# Altium PCB MeasureV2.PcbDoc
Units mil, origin at the board's own origin, x right, y up, seen from the top; angles counter-clockwise.
Board outline 1570 x 1225 mil, 2 copper layers (Top Layer, Bottom Layer), stack 38.671 mil thick; 69 components, 57 nets, 308 pads, 113 vias.
Unrouted connection lines stored in the file: 1.
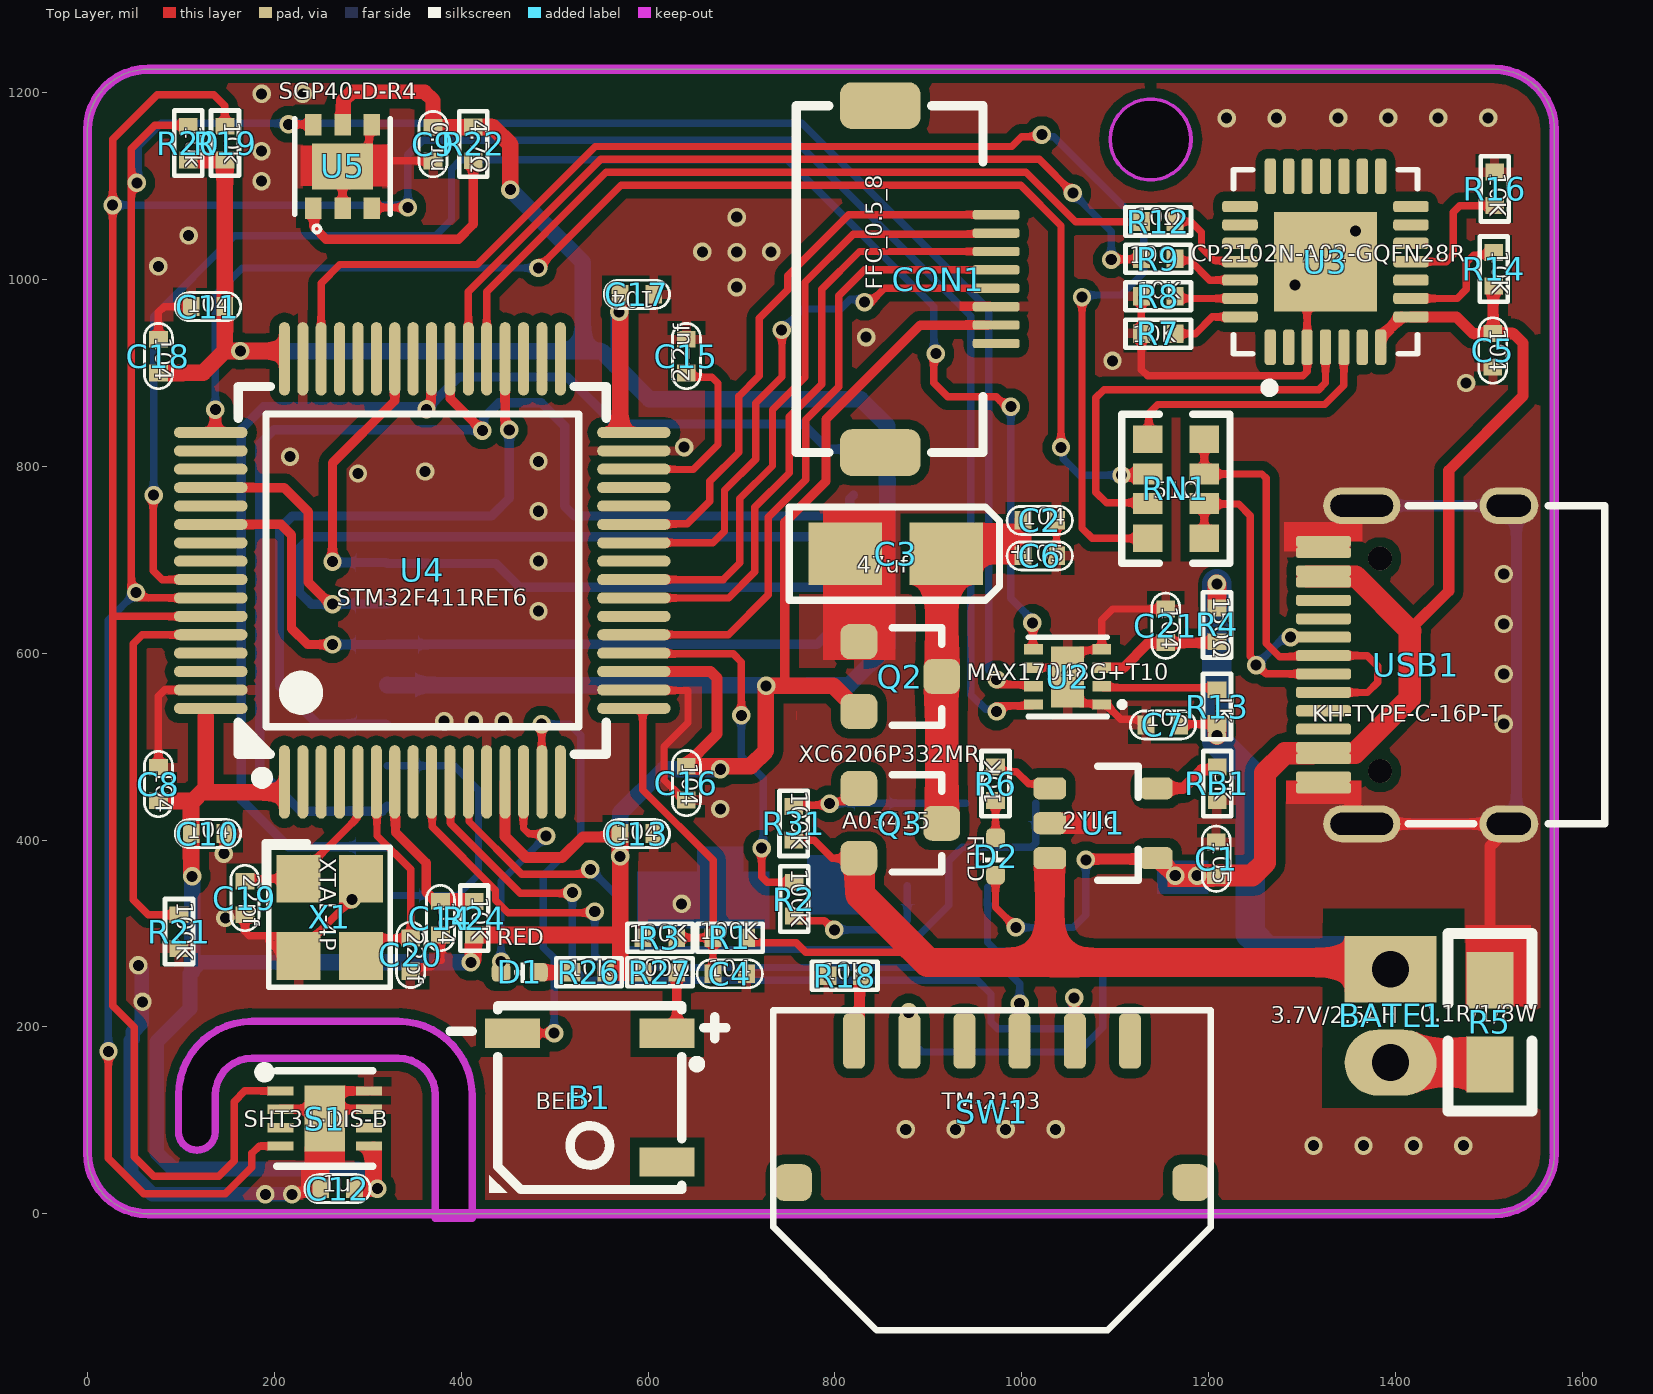
[diagram p0: Top Layer view]
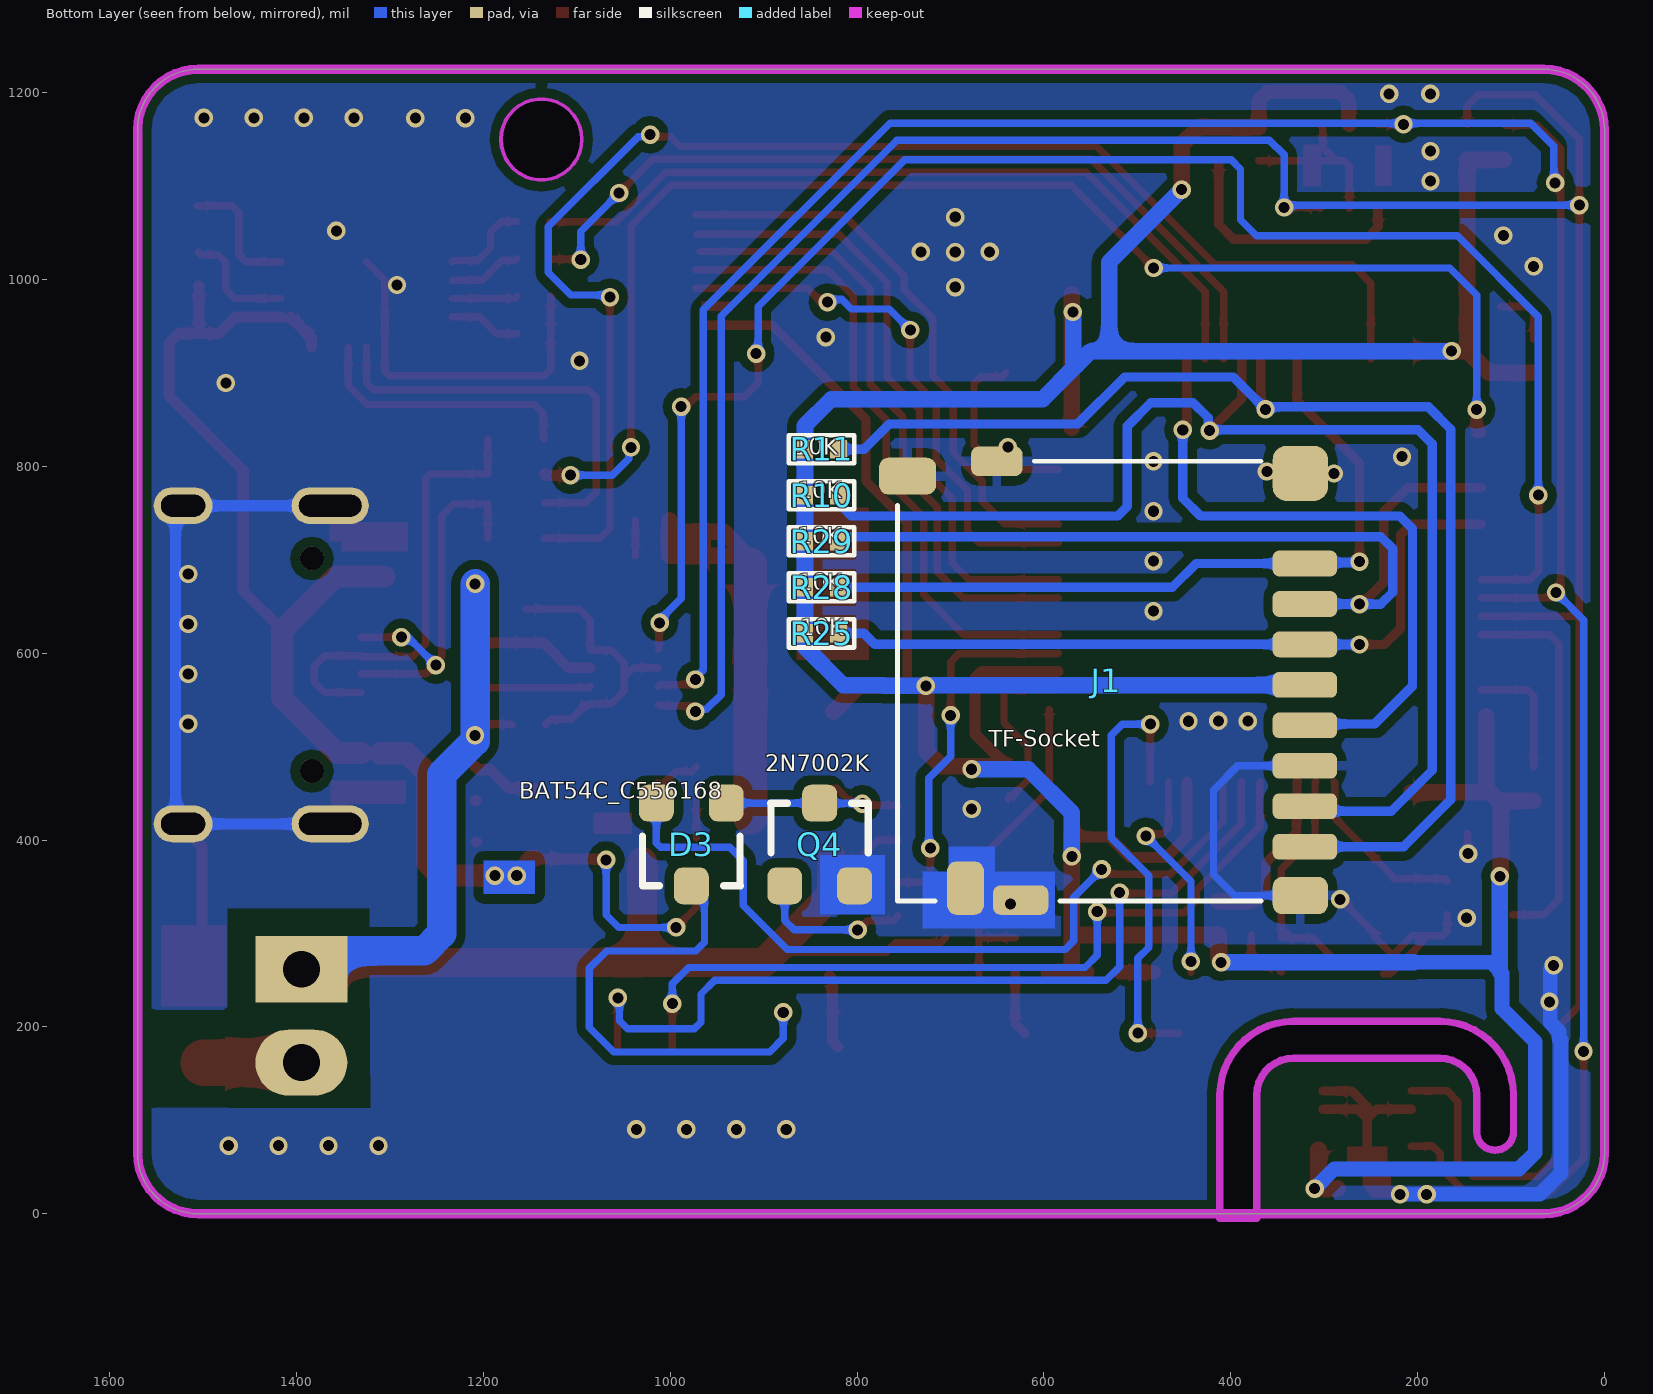
[diagram p1: Bottom Layer view, seen from below]
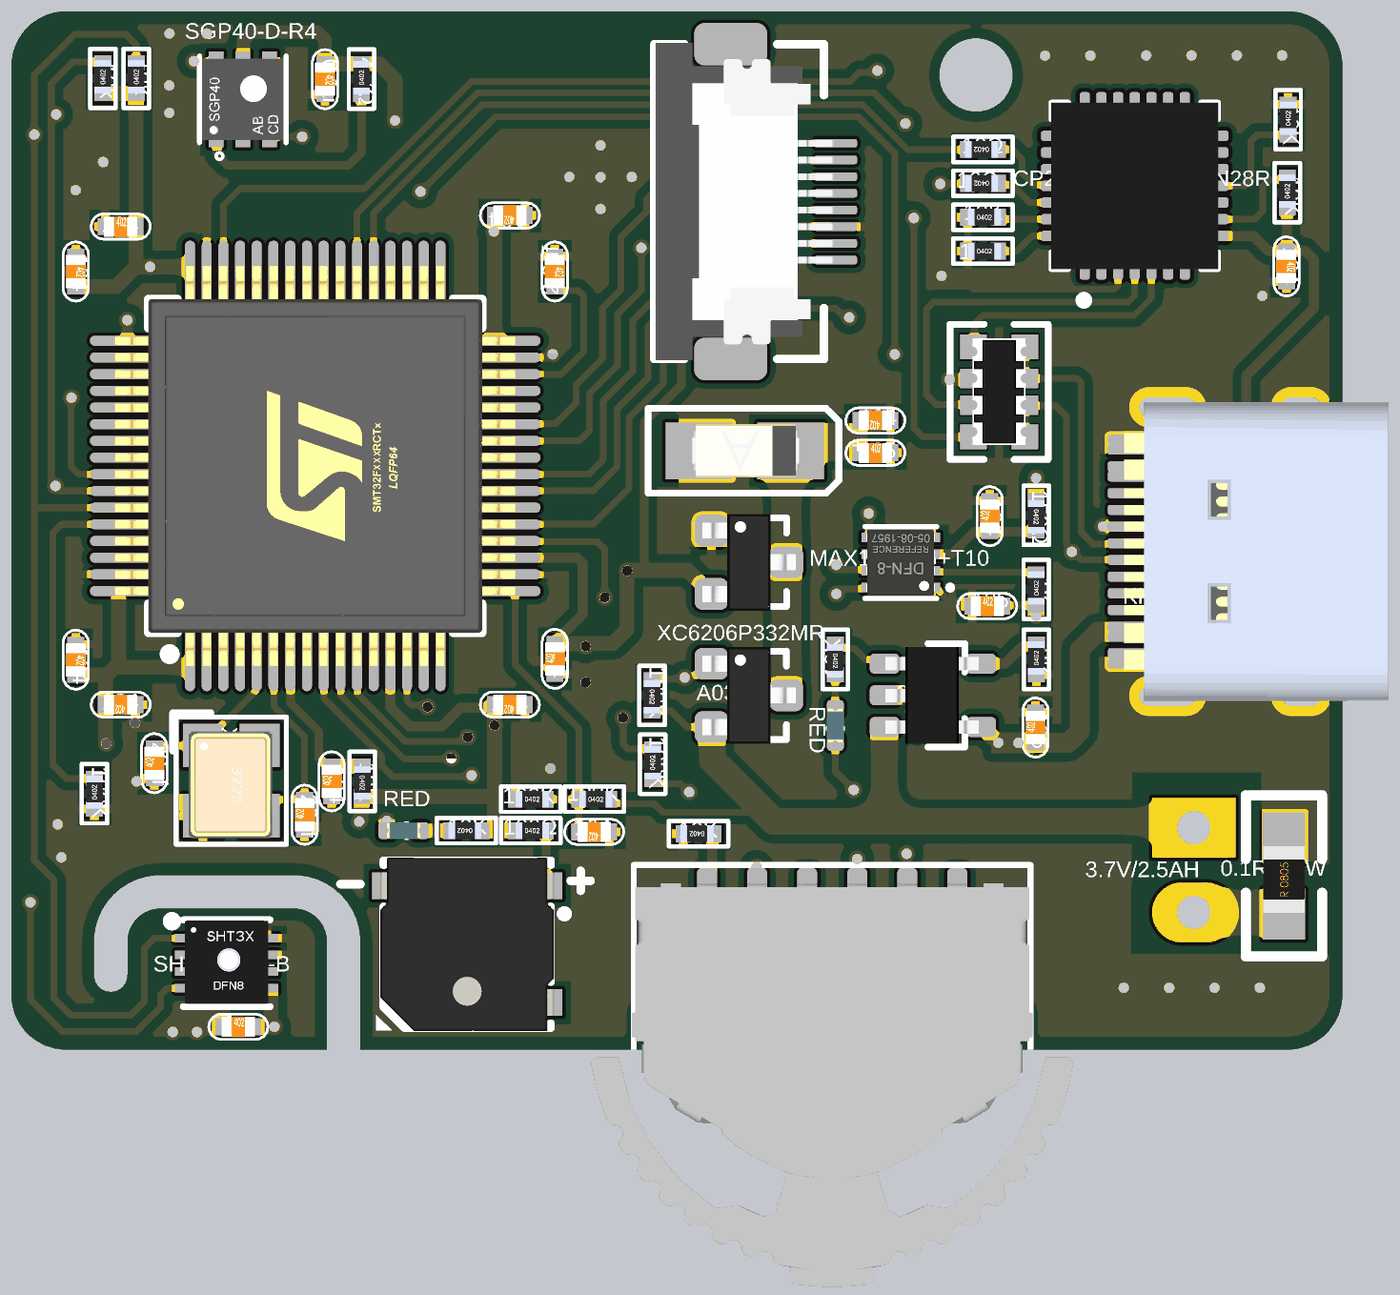
[diagram p2: 3D render of the assembled board from above, using the file's embedded part models]
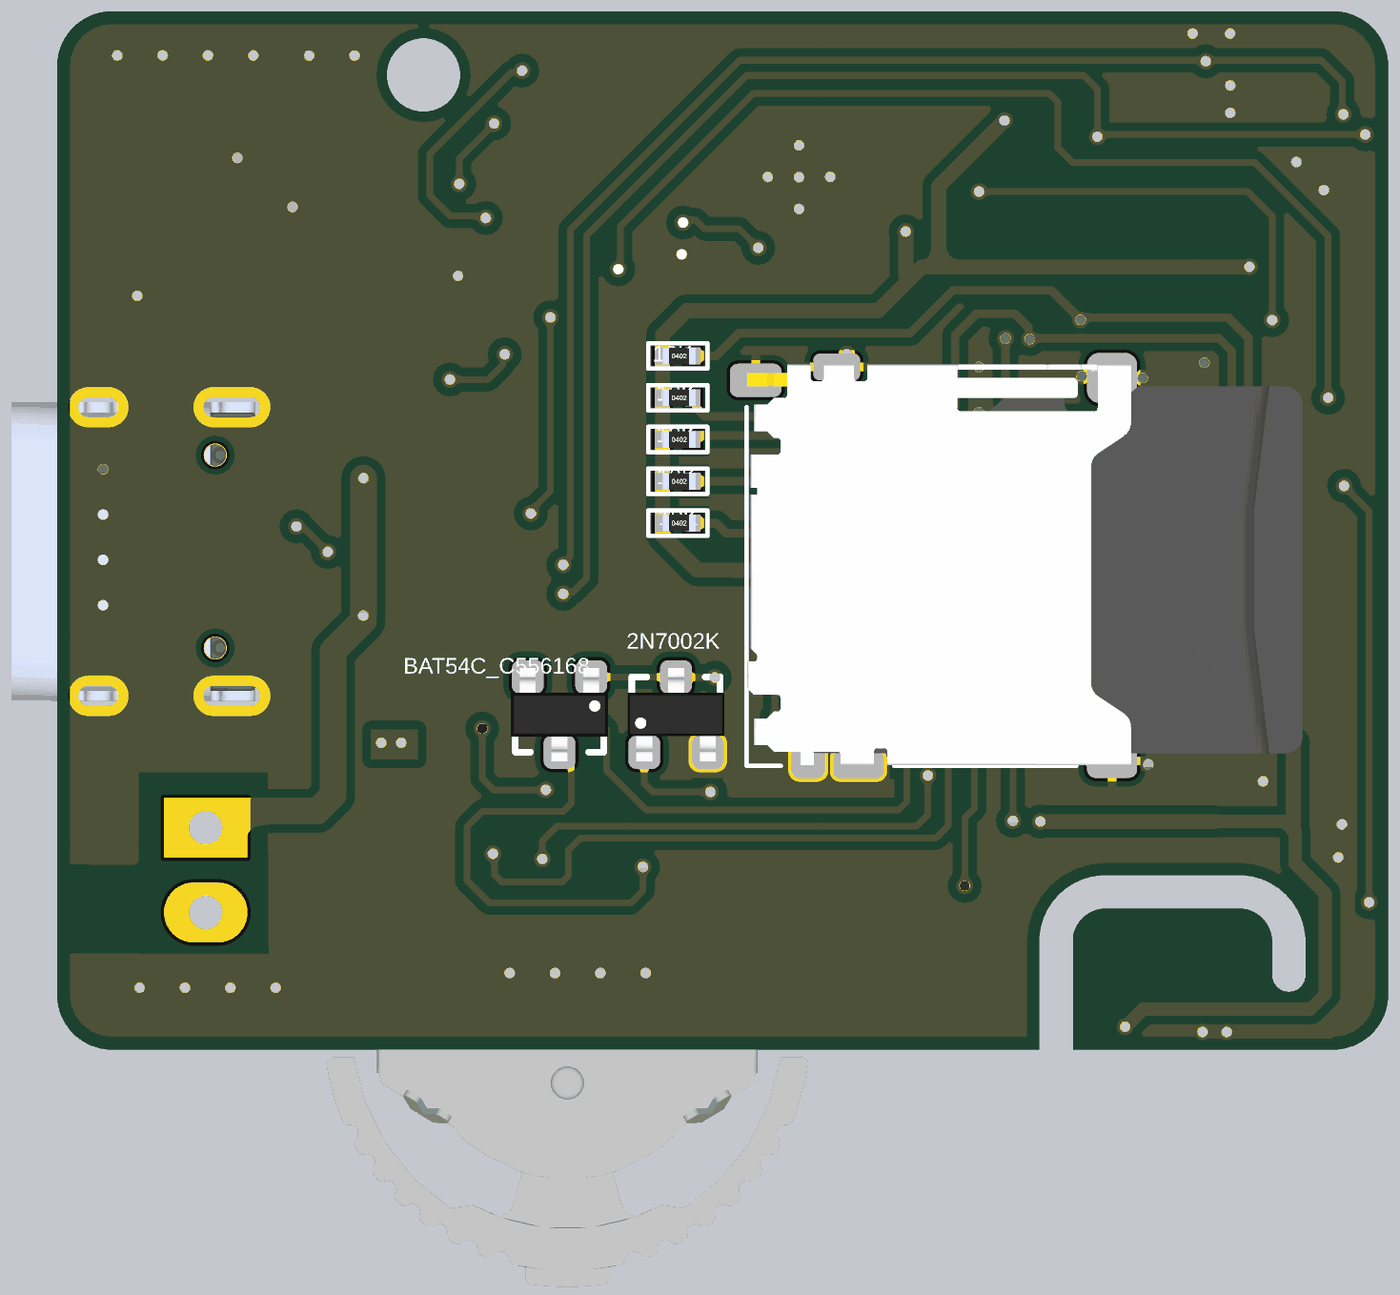
[diagram p3: 3D render of the assembled board from below, using the file's embedded part models]

## Layer stack, top to bottom
Top Solder: solder mask 0.4, Solder Resist, Dk 3.5
Top Layer: signal copper 1.378
Dielectric 2: prepreg 2.8, PP-006, Dk 4.1
Dielectric 1: dielectric 30.315, FR-4, Dk 4.8
Dielectric 3: prepreg 2.8, PP-006, Dk 4.1
Bottom Layer: signal copper 1.378
Bottom Solder: solder mask 0.4, Solder Resist, Dk 3.5

## Board outline
-0.04,65 ccw(c64.96,65) 64.96,0 1504.96,0 ccw(c1504.96,65) 1569.96,65 1569.96,1160 ccw(c1504.96,1160) 1504.96,1225 64.96,1225 ccw(c64.96,1160) -0.04,1160
cut-out: 97.44,87.6 97.44,127.17 cw(c176.18,127.17) 176.18,205.91 332.87,205.91 cw(c332.87,127.17) 411.61,127.17 411.61,-4.72 372.24,-4.72 372.24,127.17 ccw(c332.87,127.17) 332.87,166.54 176.18,166.54 ccw(c176.18,127.17) 136.81,127.17 136.81,87.8 cw(c117.13,87.8)
cut-out: 1094.49,1149.8 ccw(c1137.8,1149.8) 1137.8,1106.5 ccw(c1137.8,1149.8) 1181.1,1149.8 ccw(c1137.8,1149.8) 1137.8,1193.11 ccw(c1137.8,1149.8)

## Design rules (kind name [scope] priority, off if disabled: settings)
Clearance [All] p1: gap=10 ignorepadtopadclearanceinfootprint=FALSE
HoleToHoleClearance [All] p1: gap=0 allowstackedmicrovias=TRUE
MinimumSolderMaskSliver [All] p1: minsoldermaskwidth=0
PolygonConnect [All] p1: thpad.connectstyle=Direct thpad.reliefconductorwidth=10 thpad.reliefentries=4 thpad.polygonreliefangle="90 Angle" thpad.airgapwidth=10 smdpad.connectstyle=Relief smdpad.reliefconductorwidth=10 smdpad.reliefentries=4 smdpad.polygonreliefangle="90 Angle" smdpad.airgapwidth=10 via.connectstyle=Direct via.reliefconductorwidth=10 via.reliefentries=4 via.polygonreliefangle="90 Angle" via.airgapwidth=10
RoutingVias [All] p1: holewidth=28 width=50 viastyle="Through Hole" minholewidth=28 minwidth=50 maxholewidth=28 maxwidth=50
SilkToSilkClearance [All] p1: silktosilkclearance=0
SilkToSolderMaskClearance [IsPad] p1: minsilkscreentomaskgap=0 clearancetoexposedcopper=TRUE
SolderMaskExpansion [All] p1: expansion=4 istentingtop=FALSE
Width [All] p1: maxlimit=100 minlimit=6 preferedwidth=10
26 further rules are at their usual default settings.

## Components (designator, comment, footprint, x,y, rotation, side; value= is the part's Value field where it differs from the comment)
B1 "BEEP" BEEP_SMD5020 537.63,124.39 r180 top locked
BATE1 "3.7V/2.5AH" XH2/2.54mm/180 1394.68,261.81 r270 top
C1 "105" 0402_C 1207.96,380 r90 top
C2 "104" 0402_C 1019.09,742.13 r180 top
C3 "47uf" TAJ-A/3216 921.06,706.5 r180 top value=100pF
C4 "104" 0402_C 687.4,256.89 r180 top
C5 "104" 0402_C 1503.96,924 r270 top
C6 "105" 0402_C 1019.09,704.13 r0 top
C7 "105" 0402_C 1150.98,523.23 r0 top
C8 "104" 0402_C 75.96,460 r270 top locked
C9 "0.1u" 0402_C 369.88,1144.8 r270 top
C10 "104" 0402_C 128.96,407 r180 top locked
C11 "104" 0402_C 128.96,971 r0 top
C12 "1u" 0402_C 267.72,26.97 r0 top
C13 "104" 0402_C 587.96,407 r180 top
C14 "104" 0402_C 377.76,316.54 r90 top
C15 "2.2uf" 0402_C 640.96,918 r270 top
C16 "104" 0402_C 640.96,461 r90 top
C17 "104" 0402_C 587.96,984.06 r180 top
C18 "104" 0402_C 75.96,918 r270 top
C19 "22pf" 0402_C 168.5,337.99 r90 top
C20 "22pf" 0402_C 345.87,277.17 r90 top
C21 "104" 0402_C 1153.94,629.32 r90 top
CON1 "FFC_0.5_8" FFC_0.5_8 910.43,1000.39 r180 top
D1 "RED" LED_0402_BLUE 462.63,258.39 r180 top
D2 "RED" LED_0402_BLUE 971.85,382.48 r90 top
D3 "BAT54C_C556168" SOT23_ 977.36,395.28 r0 bottom
J1 "TF-Socket" TF_Card 533.28,570.52 r180 bottom
Q2 "XC6206P332MR" SOT23_ 869.96,575 r270 top
Q3 "A03415" SOT23_ 869.88,417.91 r270 top
Q4 "2N7002K" SOT23_ 839.96,395.28 r180 bottom
R1 "100K" 0402_R 687.6,295.47 r0 top
R2 "100K" 0402_R 756.3,336.81 r90 top
R3 "100K" 0402_R 612.63,295.47 r0 top
R4 "150Ω" 0402_R 1208.86,630.32 r270 top
R5 "0.1R/1/8W" 0805R 1500.96,160 r90 top
R6 "10K" 0402_R 971.83,460.33 r270 top value=100K
R7 "10K" 0402_R 1145.96,942 r0 top
R8 "10K" 0402_R 1145.96,982 r0 top
R9 "10Ω" 0402_R 1145.96,1022 r180 top
R10 "10K" 0402_R 837.89,769.02 r180 bottom value=22R
R11 "10K" 0402_R 837.89,818.31 r180 bottom value=22R
R12 "10Ω" 0402_R 1145.96,1062 r180 top
R13 "1K" 0402_R 1208.86,542.91 r90 top
R14 "10K" 0402_R 1504.96,1011 r90 top value=4.7K
R16 "10K" 0402_R 1505.96,1097 r90 top
R18 "10K" 0402_R 810.43,254.72 r180 top
R19 "10k" 0402_R 147.24,1145.87 r90 top
R20 "10k" 0402_R 107.87,1145.87 r90 top
R21 "100K" 0402_R 97.96,302 r90 top
R22 "4.7Ω" 0402_R 412.96,1145 r90 top
R24 "10K" 0402_R 413.87,316.39 r270 top
R25 "10K" 0402_R 837.89,621.18 r180 bottom value=22R
R26 "10K" 0402_R 536.63,258.39 r180 top
R27 "100Ω" 0402_R 612.63,258.39 r0 top
R28 "10K" 0402_R 837.89,670.46 r180 bottom value=22R
R29 "10K" 0402_R 837.89,719.74 r180 bottom value=22R
R31 "100K" 0402_R 755.71,417.91 r270 top
RB1 "3K" 0402_R 1208.96,460.33 r90 top value=3.3K
RN1 "51Ω" 0603R*4_r 1164.96,776 r90 top
S1 "SHT31-DIS-B" DFN8-P0.50 253.94,101.97 r270 top
SW1 "TM-2103" WHEEL_SWITCH 968.11,184.84 r180 top locked
U1 "2YL6" SOT23-5_S 1086.96,418 r180 top
U2 "MAX17048G+T10" DFN-8_L2.0-W2.0-P0.50-BL-EP 1049.02,574.61 r180 top
U3 "CP2102N-A02-GQFN28R" QFN28 1324.96,1019 r0 top
U4 "STM32F411RET6" LQFP-64_L10.0-W10.0-P0.50-LS12.0-BL 358.38,688.63 r0 top locked
U5 "SGP40-D-R4" DFN-6_L2.4-W2.4-P0.80-TL-EP 272.96,1121 r90 top
USB1 "KH-TYPE-C-16P-T" TYPE-C-16P-T 1422.05,587.6 r0 top locked
X1 "XTAL-4P" "OSC 3225-4P" 259.25,317.32 r270 top

## Footprints (in the part's own frame and the unit in brackets; to place one, negate y for a bottom-side part, rotate by r counter-clockwise, add the part's x,y. Pads: shape width x height; smd on the part's side, far side on the other; paste and mask are expansions set on the pad)
0402_C [mil]
  rect 18x20 smd: 1(-18,0) 2(18,0)
  silkscreen extent -35,-15 35,15, body extent -20,-12 20,12, height 8
0402_R [mil]
  rect 18x20 smd: 1(-18,0) 2(18,0)
  silkscreen extent -35,-15 35,15, body extent -18,-10 21,10, height 13
0603R*4_r [mm]
  rect 0.75x0.8 smd mask+0.051: 1(1.35,-0.77) 4(-1.35,-0.77) 5(-1.35,0.77) 8(1.35,0.77)
  rect 0.58x0.8 smd mask+0.051: 2(0.4,-0.77) 3(-0.4,-0.77) 6(-0.4,0.77) 7(0.4,0.77)
  silkscreen extent -2.02,-1.47 2.03,1.47, body extent -1.6,-0.8 1.6,0.8, height 0.55
0805R [mil]
  rect 60x50 smd: 1(0,0) 2(90,0)
  silkscreen extent -50,-45 140,45, body extent 1,-25 80,25, height 15
BEEP_SMD5020 [mm]
  rect 1.5x0.8 smd: 1(-2.1,-1.75) 2(2.1,-1.75) 3(-2.1,1.75)
  silkscreen extent -3.7,-2.5 3.8,2.58, body extent -2.6,-2.6 2.6,2.6, height 2
DFN8-P0.50 [mm]
  rect 0.25x0.7 smd: 1(-0.75,-1.2) 2(-0.25,-1.2) 3(0.25,-1.2) 4(0.75,-1.2) 5(0.75,1.2) 6(0.25,1.2) 7(-0.25,1.2) 8(-0.75,1.2)
  rect 1.8x1.1 smd: 9(0,0)
  silkscreen extent -1.39,-1.77 1.3,1.3, body extent -1.28,-1.25 1.23,1.25, height 0.9
DFN-6_L2.4-W2.4-P0.80-TL-EP [mm]
  rect 0.585x0.448 smd: 1(-1.137,0.8) 2(-1.137,0) 3(-1.137,-0.8) 4(1.137,-0.8) 5(1.137,0) 6(1.137,0.8)
  rect 1.25x1.65 smd: 7(0,0)
  silkscreen extent -1.8,-1.3 1.3,1.3, body extent -1.22,-1.22 1.22,1.22, height 0.85
DFN-8_L2.0-W2.0-P0.50-BL-EP [mm]
  rect 0.505x0.28 smd: 1(-0.928,0.75) 2(-0.928,0.25) 3(-0.928,-0.25) 4(-0.928,-0.75) 5(0.928,-0.75) 6(0.928,-0.25) 7(0.928,0.25) 8(0.928,0.75)
  rect 0.9x1.65 smd: 9(0,0)
  silkscreen extent -1.55,-1.08 1.08,1.08, body extent -1.02,-1 1.03,1, height 0.7
FFC_0.5_8 [mil]
  rrect50% 86x50 smd: 0(62,185.63) 0(62,-185.63)
  rrect50% 50x10 smd: 1(-62,-68.9) 2(-62,-49.21) 3(-62,-29.53) 4(-62,-9.84) 5(-62,9.84) 6(-62,29.53) 7(-62,49.21) 8(-62,68.9)
  silkscreen extent -48,-186 152,186, body extent -60,-187 151,187, height 82
LED_0402_BLUE [mil]
  rrect50% 20x20 smd: 1(-20,0) 2(20,0)
  silkscreen extent -6,-10 6,10, body extent -20,-10 20,10, height 18
LQFP-64_L10.0-W10.0-P0.50-LS12.0-BL [mm]
  oval 0.3x2 smd: 1(-3.75,-5.75) 2(-3.25,-5.75) 3(-2.75,-5.75) 4(-2.25,-5.75) 5(-1.75,-5.75) 6(-1.25,-5.75) 7(-0.75,-5.75) 8(-0.25,-5.75) 9(0.25,-5.75) 10(0.75,-5.75) 11(1.25,-5.75) 12(1.75,-5.75) 13(2.25,-5.75) 14(2.75,-5.75) 15(3.25,-5.75) 16(3.75,-5.75) 33(3.75,5.75) 34(3.25,5.75) 35(2.75,5.75) 36(2.25,5.75) 37(1.75,5.75) 38(1.25,5.75) 39(0.75,5.75) 40(0.25,5.75) 41(-0.25,5.75) 42(-0.75,5.75) 43(-1.25,5.75) 44(-1.75,5.75) 45(-2.25,5.75) 46(-2.75,5.75) 47(-3.25,5.75) 48(-3.75,5.75)
  oval 2x0.3 smd: 17(5.75,-3.75) 18(5.75,-3.25) 19(5.75,-2.75) 20(5.75,-2.25) 21(5.75,-1.75) 22(5.75,-1.25) 23(5.75,-0.75) 24(5.75,-0.25) 25(5.75,0.25) 26(5.75,0.75) 27(5.75,1.25) 28(5.75,1.75) 29(5.75,2.25) 30(5.75,2.75) 31(5.75,3.25) 32(5.75,3.75) 49(-5.75,3.75) 50(-5.75,3.25) 51(-5.75,2.75) 52(-5.75,2.25) 53(-5.75,1.75) 54(-5.75,1.25) 55(-5.75,0.75) 56(-5.75,0.25) 57(-5.75,-0.25) 58(-5.75,-0.75) 59(-5.75,-1.25) 60(-5.75,-1.75) 61(-5.75,-2.25) 62(-5.75,-2.75) 63(-5.75,-3.25) 64(-5.75,-3.75)
  silkscreen extent -5,-5.79 5,5, body extent -6,-6 6,6, height 1.6
"OSC 3225-4P" [mm]
  rect 1.3x1.2 smd: 1(-1.05,-0.85) 2(1.05,-0.85) 3(1.05,0.85) 4(-1.05,0.85)
  silkscreen extent -2.03,-1.75 1.91,1.65, body extent -1.47,-1.27 1.73,1.23, height 0.7
QFN28 [mil]
  rrect50% 12x38 smd mask+5: 1(-59.06,-91.5) 2(-39.37,-91.5) 3(-19.68,-91.5) 4(0,-91.5) 5(19.69,-91.5) 6(39.37,-91.5) 7(59.06,-91.5) 15(59.06,91.5) 16(39.37,91.5) 17(19.69,91.5) 18(0,91.5) 19(-19.68,91.5) 20(-39.37,91.5) 21(-59.06,91.5)
  rrect50% 38x12 smd mask+5: 8(91.5,-59.06) 9(91.5,-39.37) 10(91.5,-19.69) 11(91.5,0) 12(91.5,19.68) 13(91.5,39.37) 14(91.5,59.06) 22(-91.5,59.05) 23(-91.5,39.37) 24(-91.5,19.68) 25(-91.5,0) 26(-91.5,-19.68) 27(-91.5,-39.37) 28(-91.5,-59.06)